# Altium PCB MAIN_BOARD_V3.PcbDoc (part 4 of 4)
Units mm, origin at the board's own origin, x right, y up, seen from the top; angles counter-clockwise.
Board outline 130 x 150 mm, 4 copper layers (TOP, GND/INT_SIG_1, GND/INT_SIG_2, BOTTOM), stack 1.586 mm thick; 408 components, 346 nets, 1739 pads, 289 vias.
Unrouted connection lines stored in the file: 773.
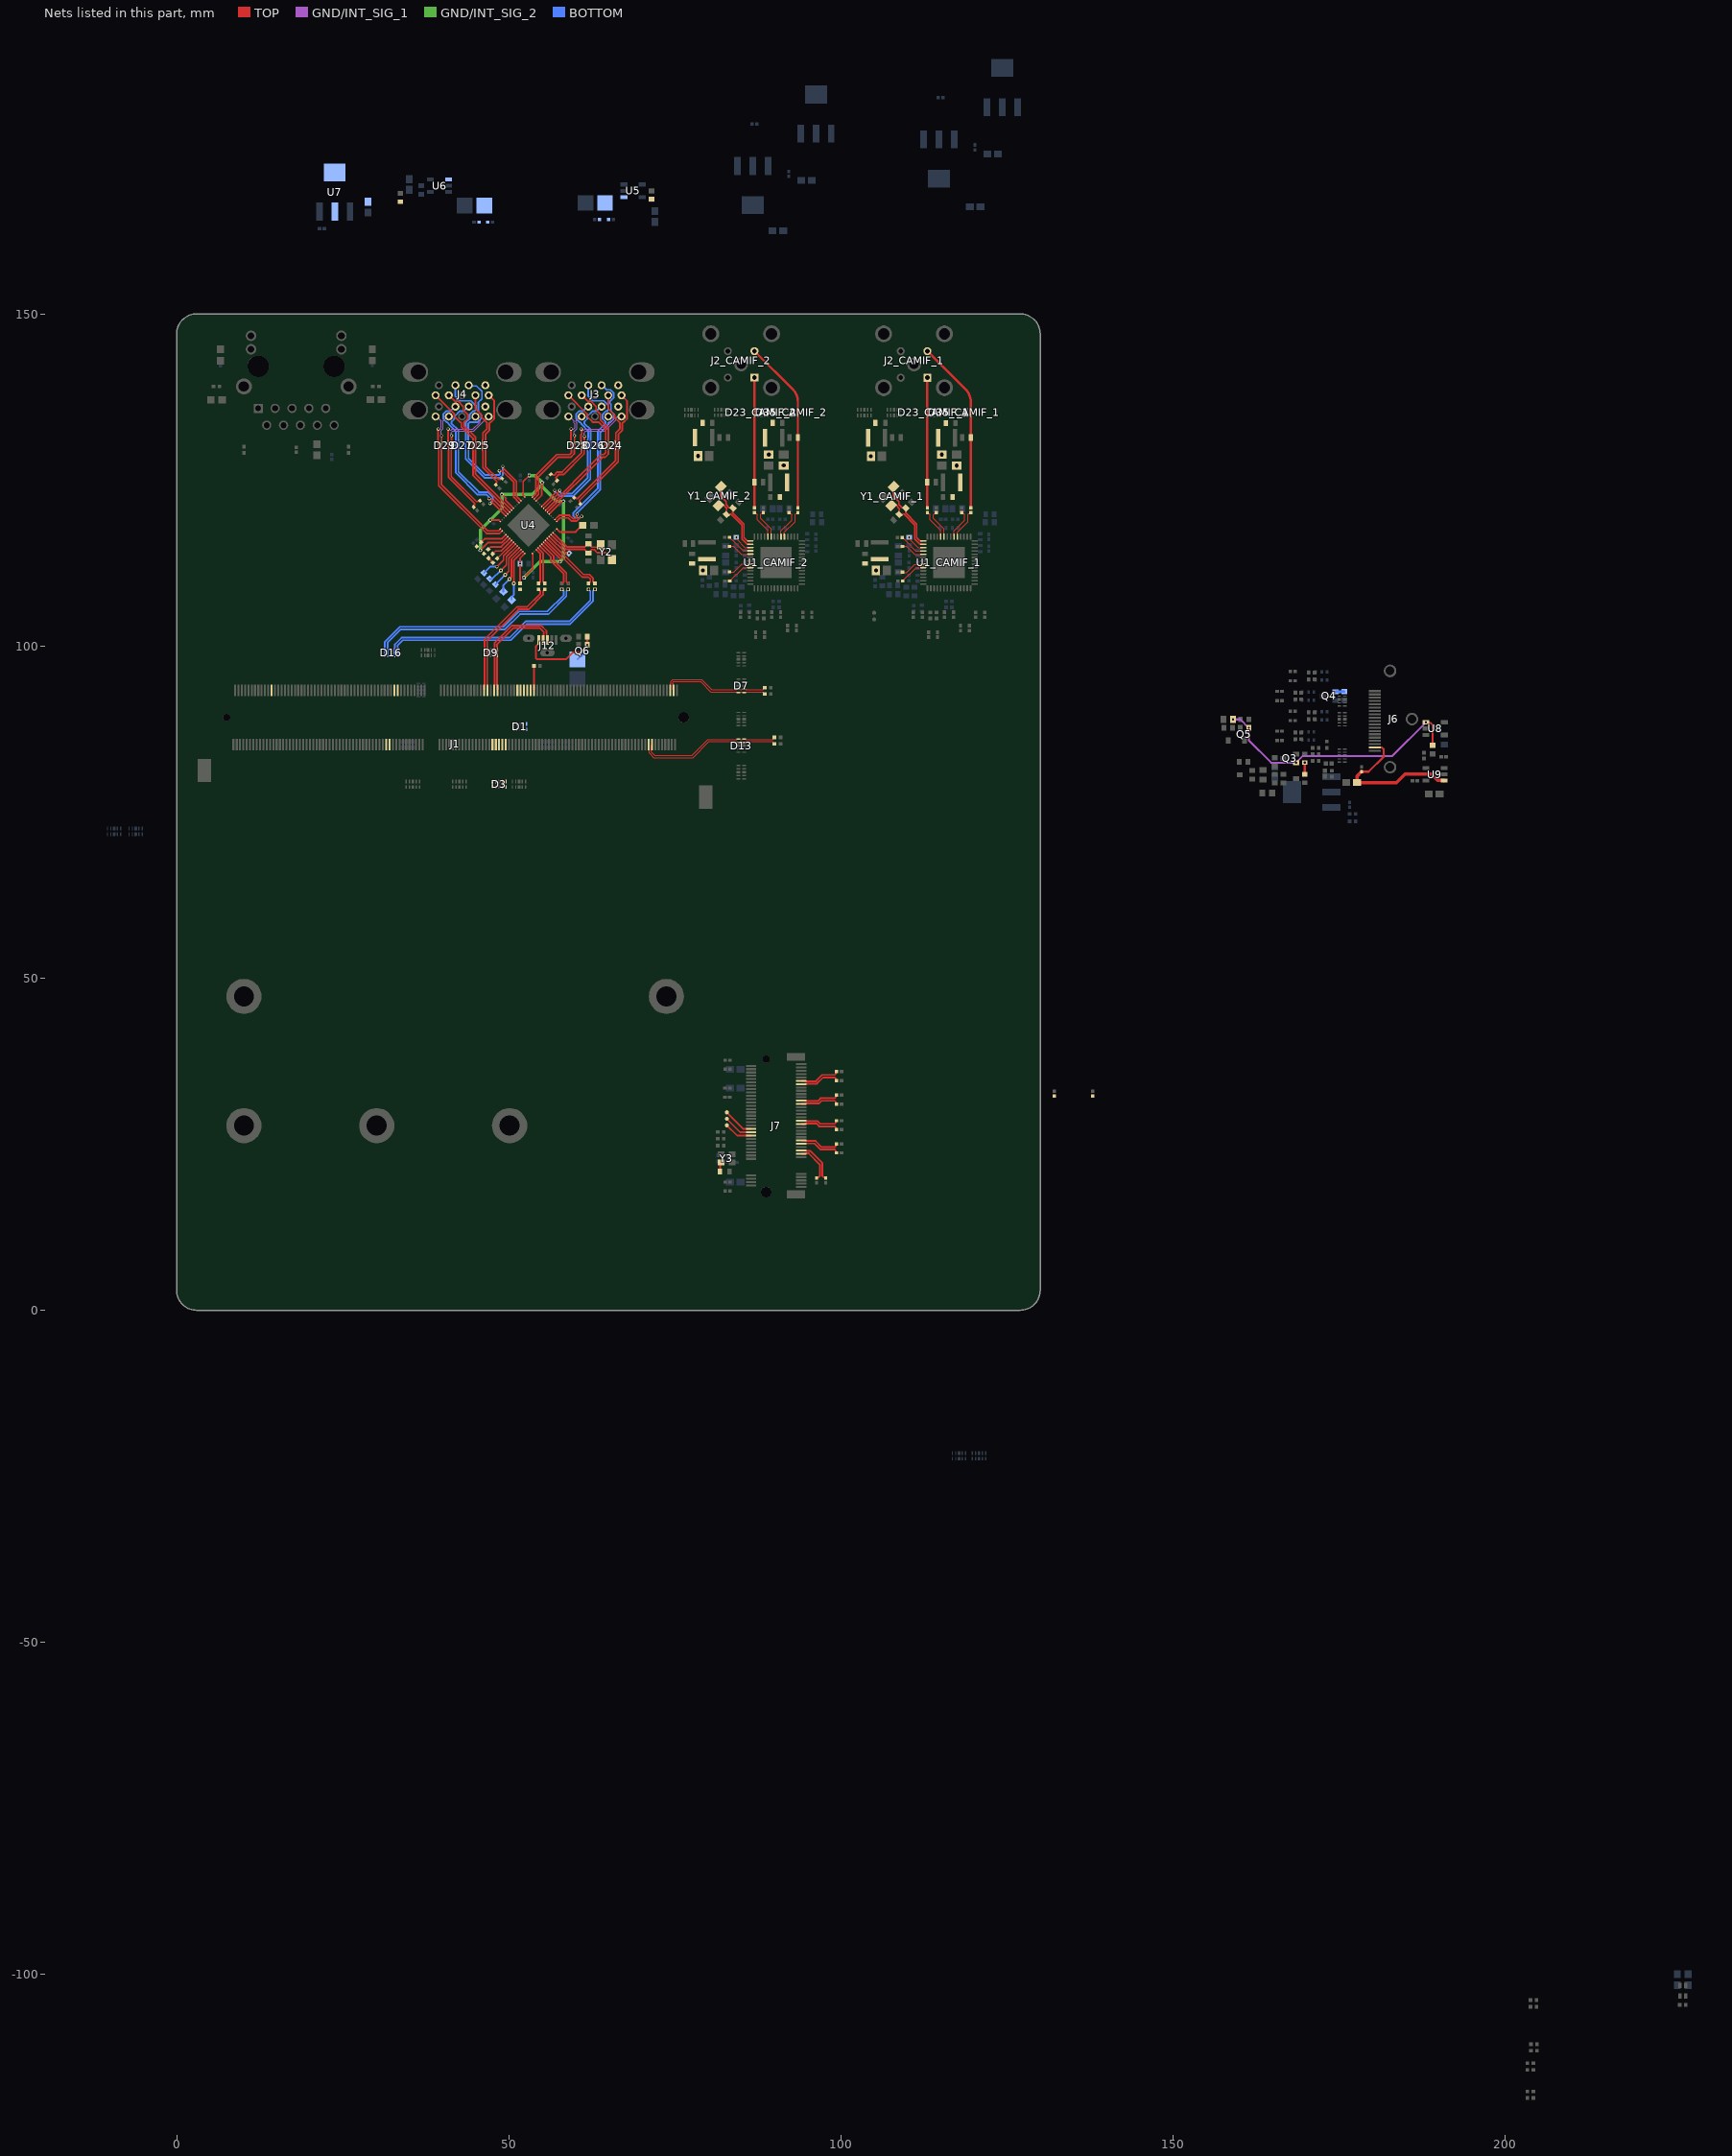
[diagram p6: the nets of this part, all layers, seen from the top]

## Via types
v1: diameter 0.5, hole 0.3, TOP to BOTTOM, 244 vias
v2: diameter 0.5, hole 0.2, TOP to BOTTOM, 32 vias
v3: diameter 1, hole 0.6, TOP to BOTTOM, 8 vias
v4: diameter 5, hole 3, TOP to BOTTOM, 5 vias

## Nets (pads, with @x,y where several pads share a name; then routed paths per layer and width w, separated by ;. In a path a pad name is that pad's centre, name@x,y a point inside that pad or via, vN(x,y) a via of type N, cw(c..) or ccw(c..) an arc to the next point about the centre after c; other vN are vias at no path point) (continued)
PoC_C_CAMIF_1: C15_CAMIF_1.2 D23_CAMIF_1.1 D23_CAMIF_1.10 J2_CAMIF_1.1 L7_CAMIF_1.2 | length 19.6
  TOP w0.355: C15_CAMIF_1.2@113.008,120.806 L7_CAMIF_1.2@113.008,124.642 D23_CAMIF_1.1@113.008,134.725 D23_CAMIF_1.10@113.008,135.56 J2_CAMIF_1.1@113.008,140.392
PoC_C_CAMIF_2: C15_CAMIF_2.2 D23_CAMIF_2.1 D23_CAMIF_2.10 J2_CAMIF_2.1 L7_CAMIF_2.2 | length 19.6
  TOP w0.355: C15_CAMIF_2.2@86.983,120.813 L7_CAMIF_2.2@86.983,124.65 D23_CAMIF_2.1@86.983,134.733 D23_CAMIF_2.10@86.983,135.568 J2_CAMIF_2.1@86.983,140.4
PoC_D_CAMIF_1: C16_CAMIF_1.2 D35_CAMIF_1.5 D35_CAMIF_1.6 J2_CAMIF_1.2 L9_CAMIF_1.2 | length 26.2
  TOP w0.355: J2_CAMIF_1.2@113.008,144.392 118.8,138.6 cw(c117.004,136.804) 119.544,136.804 D35_CAMIF_1.6@119.544,135.56 D35_CAMIF_1.5@119.544,134.725 L9_CAMIF_1.2@119.544,131.367 C16_CAMIF_1.2@119.544,120.806
PoC_D_CAMIF_2: C16_CAMIF_2.2 D35_CAMIF_2.5 D35_CAMIF_2.6 J2_CAMIF_2.2 L9_CAMIF_2.2 | length 26.2
  TOP w0.355: J2_CAMIF_2.2@86.983,144.4 92.776,138.608 cw(c90.98,136.812) 93.52,136.812 D35_CAMIF_2.6@93.52,135.568 D35_CAMIF_2.5@93.52,134.733 L9_CAMIF_2.2@93.52,131.375 C16_CAMIF_2.2@93.52,120.813
PoC_PWR_CAMIF_1: C121_CAMIF_1.1 C122_CAMIF_1.1 C123_CAMIF_1.1 C124_CAMIF_1.1 L2_CAMIF_1.1 L4_CAMIF_1.1 L6_CAMIF_1.1 L8_CAMIF_1.1 R24_CAMIF_1.1 R26_CAMIF_1.1 R27_CAMIF_1.1 R29_CAMIF_1.1
  other v3: 105.268,111.392 117.417,127.165 104.518,128.592 115.167,128.817
PoC_PWR_CAMIF_2: C121_CAMIF_2.1 C122_CAMIF_2.1 C123_CAMIF_2.1 C124_CAMIF_2.1 L2_CAMIF_2.1 L4_CAMIF_2.1 L6_CAMIF_2.1 L8_CAMIF_2.1 R24_CAMIF_2.1 R26_CAMIF_2.1 R27_CAMIF_2.1 R29_CAMIF_2.1
  other v3: 79.244,111.4 91.393,127.173 78.494,128.6 89.143,128.824
POWER_EN: J1.237
PRE_CLK_N: C116.1 J7.53 | length 6.5
  TOP w0.266: J7.53@94.025,24.047 94.65,24.047 94.703,23.994 95.346,23.994 97.222,22.118 97.222,20.192 97.378,20.036 97.597,20.036 97.7,19.933 C116.1@97.7,19.9
PRE_CLK_P: C117.1 J7.55 | length 5.9
  TOP w0.266: J7.55@94.025,23.547 94.65,23.547 94.703,23.6 95.183,23.6 96.828,21.955 96.828,20.192 96.672,20.036 96.453,20.036 96.35,19.933 C117.1@96.35,19.9
PRE_CSI0_D1_N: D13.1 D13.10 J1.16 R3.1 | length 21.3
  TOP w0.168: J1.16@71.55,85.15 71.484,85.084 71.484,84.203 71.447,84.166 71.447,84.023 71.971,83.5 77.593,83.5 79.99,85.898 84.297,85.898 84.4,86 D13.1@84.583,86 84.765,86 84.868,85.898 85.132,85.898 85.235,86 D13.10@85.417,86 85.6,86 85.703,85.898 87.634,85.898 87.643,85.906 89.711,85.906 89.809,86.005 89.809,86.044 R3.1@90,86.235
PRE_CSI0_D1_P: D13.2 D13.9 J1.18 R4.1 | length 21.8
  TOP w0.168: J1.18@71.05,85.15 71.116,85.084 71.116,84.203 71.152,84.166 71.152,83.901 71.848,83.205 77.715,83.205 80.112,85.603 84.297,85.603 84.4,85.5 D13.2@84.583,85.5 84.765,85.5 84.868,85.603 85.132,85.603 85.235,85.5 D13.9@85.417,85.5 85.6,85.5 85.703,85.603 87.756,85.603 87.765,85.611 89.711,85.611 89.809,85.513 89.809,85.474 R4.1@90,85.283
PRE_CSI1_D0_N: D7.1 D7.10 J1.3 R1.1 | length 16.1
  TOP w0.168: J1.3@74.8,93.35 74.734,93.416 74.734,94.297 74.697,94.334 74.697,94.535 74.796,94.633 78.888,94.633 80.419,93.102 84.297,93.102 84.4,93 D7.10@84.583,93 84.765,93 84.868,93.102 85.132,93.102 85.235,93 D7.1@85.417,93 85.6,93 85.703,93.102 87.035,93.102 87.037,93.104 88.261,93.104 88.359,93.006 88.359,92.966 R1.1@88.55,92.775
PRE_CSI1_D0_P: D7.2 D7.9 J1.5 R2.1 | length 16.6
  TOP w0.168: J1.5@74.3,93.35 74.366,93.416 74.366,94.297 74.402,94.334 74.402,94.657 74.674,94.928 79.01,94.928 80.541,93.397 84.297,93.397 84.4,93.5 D7.9@84.583,93.5 84.765,93.5 84.868,93.397 85.132,93.397 85.235,93.5 D7.2@85.417,93.5 85.6,93.5 85.703,93.397 86.913,93.397 86.914,93.399 88.261,93.399 88.359,93.498 88.359,93.537 R2.1@88.55,93.728
PRE_TX0_N: C107.1 J7.47 | length 6.1
  TOP w0.266: J7.47@94.025,25.547 94.65,25.547 94.716,25.481 96.191,25.481 97.121,24.552 99.069,24.552 99.225,24.708 99.225,24.94 99.328,25.043 C107.1@99.35,25.043
PRE_TX0_P: C114.1 J7.49 | length 6.1
  TOP w0.266: J7.49@94.025,25.047 94.65,25.047 94.716,25.113 96.039,25.113 96.968,24.184 99.069,24.184 99.225,24.028 99.225,23.796 99.328,23.693 C114.1@99.35,23.693
PRE_TX1_N: C102.1 J7.35 | length 5.9
  TOP w0.266: J7.35@94.025,28.547 94.65,28.547 94.716,28.481 96.443,28.481 96.868,28.056 99.069,28.056 99.225,28.212 99.225,28.444 99.328,28.547 C102.1@99.35,28.547
PRE_TX1_P: C103.1 J7.37 | length 5.9
  TOP w0.266: J7.37@94.025,28.047 94.65,28.047 94.716,28.113 96.291,28.113 96.716,27.688 99.069,27.688 99.225,27.532 99.225,27.3 99.328,27.197 C103.1@99.35,27.197
PRE_TX2_N: C100.1 J7.23 | length 5.9
  TOP w0.266: J7.23@94.025,31.547 94.65,31.547 94.716,31.481 96.507,31.481 96.932,31.906 99.069,31.906 99.225,32.062 99.225,32.294 99.328,32.397 C100.1@99.35,32.397
PRE_TX2_P: C101.1 J7.25 | length 5.9
  TOP w0.266: J7.25@94.025,31.047 94.65,31.047 94.716,31.113 96.659,31.113 97.084,31.538 99.069,31.538 99.225,31.382 99.225,31.15 99.328,31.047 C101.1@99.35,31.047
PRE_TX3_N: C98.1 J7.11 | length 6.1
  TOP w0.266: J7.11@94.025,34.547 94.65,34.547 94.716,34.481 96.245,34.481 97.192,35.429 99.068,35.429 99.224,35.585 99.224,35.818 99.327,35.921 C98.1@99.348,35.921
PRE_TX3_P: C99.1 J7.13 | length 6.1
  TOP w0.266: J7.13@94.025,34.047 94.65,34.047 94.716,34.113 96.397,34.113 97.345,35.061 99.069,35.061 99.226,34.905 99.226,34.672 99.329,34.569 C99.1@99.35,34.569
PRT01_CTL: R41.1 R42.2 R44.2 | length 1
  TOP w0.3: R44.2@46.943,113.227 46.943,113.221 47.611,112.552 R42.2@47.611,112.546
PRT23_CTL: R45.2 R46.2 R50.1
REC_USB_VBUS: C118.1 C119.2 J12.1 Q6.1 R22.2 | length 15.6
  TOP w0.3: J12.1@54.5,100.9 54.425,100.825 54.425,100.3 54.075,99.95 54.075,98.225 54.3,98 58.585,98 59.587,99.002 60.702,99.002 61.8,100.1 v1(61.8,100.2) R22.2@61.8,101.4
  BOTTOM w0.3: C118.1@60.35,98 61.375,99.025 61.375,99.692 61.8,100.117 C119.2@61.8,100.15 v1(61.8,100.2)
SIOA_CAMIF_1_N: C12_CAMIF_1.1 U1_CAMIF_1.22 | length 3.7
  TOP w0.168: C12_CAMIF_1.1@109.269,111.142 109.323,111.088 109.886,111.088 111.115,112.317 U1_CAMIF_1.22@112.394,112.317
SIOA_CAMIF_1_P: C7_CAMIF_1.1 U1_CAMIF_1.23 | length 3.9
  TOP w0.168: C7_CAMIF_1.1@109.294,109.792 109.327,109.792 109.48,109.945 109.48,109.95 111.329,111.799 112.376,111.799 U1_CAMIF_1.23@112.394,111.817
SIOA_CAMIF_2_N: C12_CAMIF_2.1 U1_CAMIF_2.22 | length 3.7
  TOP w0.168: C12_CAMIF_2.1@83.245,111.15 83.299,111.096 83.862,111.096 85.09,112.325 U1_CAMIF_2.22@86.37,112.325
SIOA_CAMIF_2_P: C7_CAMIF_2.1 U1_CAMIF_2.23 | length 3.9
  TOP w0.168: C7_CAMIF_2.1@83.27,109.8 83.303,109.8 83.455,109.952 83.455,109.957 85.305,111.807 86.352,111.807 U1_CAMIF_2.23@86.37,111.825
SIOB_CAMIF_1_N: C13_CAMIF_1.1 U1_CAMIF_1.19 | length 3.6
  TOP w0.168: C13_CAMIF_1.1@109.269,114.992 109.308,115.032 109.856,115.032 111.072,113.815 112.392,113.815 U1_CAMIF_1.19@112.394,113.817
SIOB_CAMIF_1_P: C8_CAMIF_1.1 U1_CAMIF_1.18 | length 4
  TOP w0.168: C8_CAMIF_1.1@109.244,116.342 109.277,116.342 109.952,115.668 111.287,114.333 112.378,114.333 U1_CAMIF_1.18@112.394,114.317
SIOB_CAMIF_2_N: C13_CAMIF_2.1 U1_CAMIF_2.19 | length 3.6
  TOP w0.168: C13_CAMIF_2.1@83.245,115 83.284,115.039 83.832,115.039 85.048,113.823 86.368,113.823 U1_CAMIF_2.19@86.37,113.825
SIOB_CAMIF_2_P: C8_CAMIF_2.1 U1_CAMIF_2.18 | length 4
  TOP w0.168: C8_CAMIF_2.1@83.22,116.35 83.253,116.35 83.927,115.676 85.262,114.341 86.354,114.341 U1_CAMIF_2.18@86.37,114.325
SIOC_CAMIF_1_N: C17_CAMIF_1.1 U1_CAMIF_1.9 | length 4.6
  TOP w0.168: C17_CAMIF_1.1@114.351,120.073 114.351,120.062 114.198,119.91 114.037,119.91 113.938,119.811 113.938,119.231 115.519,117.65 U1_CAMIF_1.9@115.519,116.442
SIOC_CAMIF_1_P: C15_CAMIF_1.1 U1_CAMIF_1.10 | length 4.6
  TOP w0.168: C15_CAMIF_1.1@113.008,120.073 113.008,120.062 113.16,119.91 113.322,119.91 113.42,119.811 113.42,119.016 115.001,117.435 115.001,116.46 U1_CAMIF_1.10@115.019,116.442
SIOC_CAMIF_2_N: C17_CAMIF_2.1 U1_CAMIF_2.9 | length 4.6
  TOP w0.168: C17_CAMIF_2.1@88.326,120.08 88.326,120.07 88.174,119.917 88.012,119.917 87.914,119.819 87.914,119.238 89.495,117.657 U1_CAMIF_2.9@89.495,116.45
SIOC_CAMIF_2_P: C15_CAMIF_2.1 U1_CAMIF_2.10 | length 4.6
  TOP w0.168: C15_CAMIF_2.1@86.983,120.08 86.983,120.07 87.136,119.917 87.298,119.917 87.396,119.819 87.396,119.024 88.977,117.443 88.977,116.468 U1_CAMIF_2.10@88.995,116.45
SIOD_CAMIF_1_N: C18_CAMIF_1.1 U1_CAMIF_1.6 | length 4.6
  TOP w0.168: U1_CAMIF_1.6@117.019,116.442 117.001,116.46 117.001,117.33 118.613,118.943 118.613,119.811 118.515,119.91 118.353,119.91 118.201,120.062 C18_CAMIF_1.1@118.201,120.073
SIOD_CAMIF_1_P: C16_CAMIF_1.1 U1_CAMIF_1.5 | length 4.6
  TOP w0.168: U1_CAMIF_1.5@117.519,116.442 117.519,117.116 119.131,118.728 119.131,119.811 119.23,119.91 119.392,119.91 119.544,120.062 C16_CAMIF_1.1@119.544,120.073
SIOD_CAMIF_2_N: C18_CAMIF_2.1 U1_CAMIF_2.6 | length 4.6
  TOP w0.168: U1_CAMIF_2.6@90.995,116.45 90.977,116.468 90.977,117.338 92.589,118.951 92.589,119.819 92.491,119.917 92.329,119.917 92.177,120.07 C18_CAMIF_2.1@92.177,120.08
SIOD_CAMIF_2_P: C16_CAMIF_2.1 U1_CAMIF_2.5 | length 4.6
  TOP w0.168: U1_CAMIF_2.5@91.495,116.45 91.495,117.124 93.107,118.736 93.107,119.819 93.206,119.917 93.367,119.917 93.52,120.07 C16_CAMIF_2.1@93.52,120.08
SMB_CLK: J7.40 TP5.1 | length 4.7
  TOP w0.266: TP5.1@82.825,29.797 85.325,27.297 J7.40@86.475,27.297
SMB_DATA: J7.42 TP6.1 | length 4.5
  TOP w0.266: TP6.1@82.825,28.822 84.85,26.797 J7.42@86.475,26.797
SMB_nALERT: J7.44 TP7.1 | length 4.3
  TOP w0.266: TP7.1@82.825,27.847 84.375,26.297 J7.44@86.475,26.297
SPI0_MISO: D1.4 D1.7 J1.93
SPI0_MOSI: D1.1 D1.10 J1.89
SPI0_nCS_0: D1.5 D1.6 J1.95
SPI0_nCS_1: J1.97
SPI0_SCLK: D1.2 D1.9 J1.91
SPI1_MISO: D3.4 D3.7 J1.108
SPI1_MOSI: D3.1 D3.10 J1.104
SPI1_nCS_0: D3.5 D3.6 J1.110
SPI1_nCS_1: J1.112
SPI1_SCLK: D3.2 D3.9 J1.106
SUSCLK_32: R102.2 Y3.3 | length 1.5
  TOP w0.3: R102.2@81.8,20.867 81.8,22.067 Y3.3@81.988,22.254
USB0_D_N: D9.1 D9.10 J1.109 J12.2 | length 16.5
  TOP w0.266: J1.109@48.3,93.35 48.3,94.075 48.247,94.128 48.247,99.248 48.3,99.301 D9.1@48.3,99.417 48.267,99.451 48.267,99.846 48.247,99.866 48.247,100.284 50.663,102.7 54.694,102.7 55.278,102.116 55.278,101.895 55.242,101.859 55.242,100.992 J12.2@55.15,100.9
USB0_D_P: D9.2 D9.9 J1.111 J12.3 | length 17.8
  TOP w0.266: J1.111@47.8,93.35 47.8,94.075 47.853,94.128 47.853,99.248 47.8,99.301 D9.2@47.8,99.417 47.833,99.451 47.833,99.846 47.853,99.866 47.853,100.447 50.5,103.093 54.857,103.093 55.672,102.279 55.672,101.895 55.708,101.859 55.708,100.992 J12.3@55.8,100.9
USB0_RX_N: D24.1 D24.10 J3.A5 U4.7 | length 23.9
  TOP w0.266: U4.7@55.529,120.448 55.533,120.448 63.896,128.811 64.324,128.811 64.603,129.09 64.603,129.311 64.583,129.331 D24.1@64.583,129.61 ; J3.A5@58.975,137.747 61.81,134.912 61.81,134.531 62.629,133.712 63.541,133.712 64.603,132.65 64.603,131.043 64.583,131.023 64.583,130.628 D24.10@64.55,130.594 D24.1@64.55,129.909
USB0_RX_P: D24.2 D24.9 J3.A6 U4.6 | length 23.5
  TOP w0.266: U4.6@55.812,120.165 55.812,120.17 64.059,128.417 64.487,128.417 64.997,128.927 64.997,129.311 65.017,129.331 D24.2@65.017,129.61 ; J3.A6@60.975,137.747 61.84,136.882 62.321,136.882 63.14,136.062 63.14,135.562 63.81,134.893 63.81,134 64.997,132.813 64.997,131.043 65.017,131.023 65.017,130.628 D24.9@65.05,130.594 D24.2@65.05,129.759
USB0_TX_N: C60.2 D24.4 D24.7 J3.A8 | length 19.6
  TOP w0.266: C60.2@59.818,122.333 59.842,122.357 59.988,122.357 60.14,122.204 60.361,122.204 66.067,127.91 66.067,129.65 66.103,129.687 66.103,129.759 66.05,129.813 D24.7@66.05,130.594 66.083,130.628 66.083,131.023 66.103,131.043 66.103,132.04 66.71,132.647 66.71,133.631 65.932,134.409 65.932,134.771 64.975,135.727 J3.A8@64.975,137.747
USB0_TX_P: C65.2 D24.5 D24.6 J3.A9 | length 19.7
  TOP w0.266: C65.2@60.768,121.383 60.792,121.407 60.792,121.553 60.639,121.705 60.639,121.926 66.46,127.747 66.46,129.487 66.517,129.544 D24.5@66.517,129.61 ; D24.5@66.55,129.759 D24.6@66.55,130.594 66.517,130.628 66.517,131.023 66.497,131.043 66.497,131.877 67.103,132.484 67.103,133.556 67.259,133.712 67.321,133.712 67.81,134.201 67.81,136.912 J3.A9@66.975,137.747
USB1_D_N: D9.4 D9.7 J1.115 R30.1 | length 19.7
  TOP w0.266: J1.115@46.8,93.35 46.8,94.075 46.747,94.128 46.747,96.182 46.747,98.715 46.767,98.735 46.767,99.384 D9.4@46.8,99.417 46.767,99.451 46.767,99.846 46.747,99.866 46.747,100.822 51.432,105.507 52.948,105.507 55.147,107.706 55.147,108.249 R30.1@55.425,108.527
USB1_D_P: D9.5 D9.6 J1.117 R31.1 | length 19.7
  TOP w0.266: J1.117@46.3,93.35 46.3,94.075 46.353,94.128 46.353,96.345 46.353,98.715 46.333,98.735 46.333,99.384 D9.5@46.3,99.417 46.333,99.451 46.333,99.846 46.353,99.866 46.353,100.985 51.269,105.9 52.785,105.9 54.753,107.869 54.753,108.249 R31.1@54.475,108.527
USB1_RX_N: D28.1 D28.10 J3.B5 U4.14 | length 16.7
  TOP w0.266: U4.14@53.541,122.42 53.545,122.42 54.09,122.964 54.09,125.692 57.209,128.811 59.174,128.811 59.453,129.09 59.453,129.311 59.433,129.331 59.433,129.726 D28.1@59.4,129.759 59.4,130.71 59.36,130.751 59.36,132.644 v1(59.393,132.677)
  GND/INT_SIG_1 w0.179: J3.B5@58.975,134.547 59.154,134.547 59.822,133.879 59.822,133.604 59.939,133.487 59.939,132.846 59.769,132.676 v1(59.393,132.677)
USB1_RX_P: D28.2 D28.9 J3.B6 U4.13 | length 16.8
  TOP w0.266: U4.13@53.824,122.137 53.824,122.141 54.484,122.801 54.484,125.529 57.372,128.417 59.337,128.417 59.847,128.927 59.847,129.311 59.867,129.331 59.867,129.726 D28.2@59.9,129.759 D28.9@59.9,130.594 59.897,130.598 59.897,131.673 v1(59.893,131.677)
  GND/INT_SIG_1 w0.179: v1(59.893,131.677) 59.843,131.727 59.843,132.318 60.245,132.72 60.245,133.614 60.128,133.731 60.128,133.879 60.796,134.547 J3.B6@60.975,134.547
USB1_TX_N: C61.2 D28.4 D28.7 J3.B8 | length 16.6
  TOP w0.266: C61.2@56.307,125.845 56.33,125.869 56.476,125.869 56.629,125.716 56.849,125.716 57.33,126.196 58.06,126.196 60.953,129.09 60.953,129.759 60.9,129.813 60.9,130.88 60.85,130.93 60.85,131.727 60.879,131.757 60.879,131.804 60.983,131.908 60.983,132.346 60.938,132.391 60.938,132.632 v1@60.9,132.67
  GND/INT_SIG_1 w0.179: v1(60.893,132.677) 60.967,132.677 61.158,132.486 61.306,132.486 61.457,132.637 64.292,132.637 65.822,134.167 65.822,134.315 65.718,134.419 65.103,134.419 J3.B8@64.975,134.547
USB1_TX_P: C68.2 D28.5 D28.6 J3.B9 | length 16.2
  TOP w0.266: C68.2@57.257,124.895 57.28,124.919 57.28,125.065 57.128,125.217 57.128,125.438 57.492,125.803 58.222,125.803 61.347,128.927 61.347,129.759 61.4,129.813 D28.6@61.4,130.594 ; D28.6@61.397,130.751 61.397,131.085 61.346,131.136 61.346,131.356 61.368,131.378 61.368,131.543 v1(61.413,131.588)
  GND/INT_SIG_1 w0.179: v1(61.413,131.588) 61.351,131.649 61.351,131.878 61.343,131.887 61.343,132.09 61.584,132.331 64.419,132.331 66.128,134.04 66.128,134.315 66.232,134.419 66.847,134.419 J3.B9@66.975,134.547
USB2_RX_N: D25.1 D25.10 J4.A5 U4.23 | length 22.3
  TOP w0.266: J4.A5@38.975,137.747 41.81,134.912 41.81,134.531 42.629,133.712 42.695,133.712 42.851,133.556 42.851,133.016 44.603,131.264 44.603,131.043 44.583,131.023 44.583,130.628 D25.10@44.55,130.594 44.55,129.813 44.603,129.759 44.603,125.705 50.147,120.161 U4.23@50.147,120.157
USB2_RX_P: D25.2 D25.9 J4.A6 U4.22 | length 22
  TOP w0.266: J4.A6@40.975,137.747 41.84,136.882 42.321,136.882 43.14,136.062 43.14,135.562 43.81,134.893 43.81,134.201 43.244,133.635 43.244,133.179 44.997,131.427 44.997,131.043 45.017,131.023 45.017,130.628 D25.9@45.05,130.594 45.05,129.813 44.997,129.759 44.997,125.868 50.425,120.44 U4.22@50.429,120.44
USB2_TX_N: C62.2 D25.4 D25.7 J4.A8 | length 15.4
  TOP w0.266: J4.A8@44.975,137.747 44.975,135.727 45.932,134.771 45.932,134.409 46.71,133.631 46.71,132.647 46.103,132.04 46.103,131.043 46.083,131.023 46.083,130.628 D25.7@46.05,130.594 D25.4@46.05,129.759 46.083,129.726 46.083,129.331 46.103,129.311 46.103,126.884 48.189,124.798 48.189,124.577 48.036,124.424 48.036,124.279 C62.2@48.06,124.255
USB2_TX_P: C69.2 D25.5 D25.6 J4.A9 | length 15.1
  TOP w0.266: J4.A9@46.975,137.747 47.81,136.912 47.81,134.201 47.321,133.712 47.259,133.712 47.103,133.556 47.103,132.484 46.497,131.877 46.497,131.043 46.517,131.023 46.517,130.628 D25.6@46.55,130.594 D25.5@46.55,129.759 46.517,129.726 46.517,129.331 46.497,129.311 46.497,127.047 48.467,125.076 48.688,125.076 48.841,125.229 48.986,125.229 C69.2@49.01,125.205
USB2UP_N: R30.2 U4.46 | length 5.8
  TOP w0.266: U4.46@54.397,114.774 54.397,114.77 55.147,114.021 55.147,109.705 R30.2@55.425,109.427
USB2UP_P: R31.2 U4.45 | length 5.4
  TOP w0.266: U4.45@54.115,114.492 54.119,114.492 54.753,113.858 54.753,109.705 R31.2@54.475,109.427
USB3_RX_N: D29.1 D29.10 J4.B5 U4.30 | length 23.9
  TOP w0.266: v1(39.393,132.677) 39.36,132.644 39.36,130.751 39.4,130.71 39.4,129.813 39.453,129.759 39.453,124.149 46.663,116.939 48.621,116.939 49.002,117.32 U4.30@49.007,117.32
  GND/INT_SIG_1 w0.179: J4.B5@38.975,134.547 39.154,134.547 39.822,133.879 39.822,132.98 39.822,132.832 39.718,132.727 39.444,132.727 v1(39.393,132.677)
USB3_RX_P: D29.2 D29.9 J4.B6 U4.29 | length 22.7
  TOP w0.266: v1(39.893,131.677) 39.896,131.673 39.896,130.598 D29.9@39.9,130.594 39.9,129.813 39.847,129.759 39.847,124.312 46.826,117.332 48.458,117.332 48.724,117.598 U4.29@48.724,117.603
  GND/INT_SIG_1 w0.179: v1(39.893,131.677) 39.843,131.727 39.843,132.421 40.128,132.705 40.128,133.107 40.128,133.879 40.796,134.547 J4.B6@40.975,134.547
USB3_TX_N: C64.2 D29.4 D29.7 J4.B8 | length 20
  TOP w0.266: v1(40.893,132.677) 40.86,132.644 40.86,130.751 40.9,130.71 40.9,129.813 40.953,129.759 40.953,125.357 44.847,121.463 44.847,121.242 44.695,121.09 44.695,120.944 C64.2@44.718,120.92
  GND/INT_SIG_1 w0.179: v1(40.893,132.677) 40.967,132.677 41.158,132.486 41.306,132.486 41.457,132.637 44.616,132.637 45.636,133.657 45.636,133.736 45.637,133.737 45.637,133.885 J4.B8@44.975,134.547
USB3_TX_P: C70.2 D29.5 D29.6 J4.B9 | length 19.4
  TOP w0.266: v1(41.393,131.677) 41.396,131.673 41.396,130.598 D29.6@41.4,130.594 41.4,129.813 41.347,129.759 41.347,125.52 45.126,121.741 45.346,121.741 45.499,121.894 45.645,121.894 C70.2@45.668,121.87
  GND/INT_SIG_1 w0.179: v1(41.393,131.677) 41.343,131.727 41.343,132.09 41.584,132.331 44.742,132.331 46.699,134.288 46.699,134.547 J4.B9@46.975,134.547
USB3UP_RX_N: R33.2 U4.51 | length 10.3
  TOP w0.266: U4.51@55.803,116.197 55.803,116.192 61.234,110.761 62.158,110.761 62.672,110.248 62.672,109.705 R33.2@62.95,109.427
USB3UP_RX_P: R34.2 U4.50 | length 9.9
  TOP w0.266: U4.50@55.521,115.914 55.525,115.914 61.071,110.368 61.995,110.368 62.278,110.085 62.278,109.705 R34.2@62,109.427
USB3UP_TX_N: C39.1 U4.48 | length 7.6
  TOP w0.266: U4.48@54.963,115.34 54.963,115.336 56.736,113.563 56.736,112.937 58.672,111.001 58.672,109.705 58.95,109.427
USB3UP_TX_P: C74.1 U4.47 | length 7.2
  TOP w0.266: U4.47@54.68,115.057 54.685,115.057 56.342,113.4 56.342,112.774 58.278,110.838 58.278,109.705 58,109.427
USB_1V2: C44.2 C45.2 C46.2 C47.2 C48.2 C50.2 C51.2 C54.2 C77.1 U4.5 U4.12 U4.15 U4.21 U4.28 U4.33 U4.43 U4.49 U7.2 U7.4 | length 66.5
  TOP w0.266: v1(45.716,114.433) 46.834,115.552 48.936,115.552 U4.33@49.855,116.472 ; v1(47.2,118.952) 48.523,118.952 U4.28@48.732,118.743 ; v1(48.975,122.802) 48.984,122.802 49.5,122.286 49.5,121.935 U4.21@50.704,120.731 ; v1(52.3,110.31) 53.626,111.636 53.626,113.849 U4.43@53.549,113.926 ; U4.15@52.401,122.428 52.175,122.654 52.175,124.765 v1(53.075,125.665) ; U4.12@54.106,121.854 54.972,122.72 54.972,124.557 v1(55.017,124.602) ; U4.49@55.246,115.623 57.725,113.144 v1(57.725,112.702) ; U4.5@56.095,119.882 57.945,121.732 58.18,121.732 v1(58.225,121.777)
  GND/INT_SIG_2 w0.5: v1(45.716,114.433) 45.716,117.468 v1(47.2,118.952) 48.975,120.727 v1(48.975,122.802) 53.525,122.802 55.017,124.293 ; v1(52.3,110.31) 54.692,112.702 v1(57.725,112.702) 58.225,113.202 v1(58.225,121.777) 57.225,121.777 55.017,123.985 55.017,124.293 ; v1(53.075,125.665) 53.953,125.665 v1(55.017,124.602) 55.017,124.293
USB_ATEST: R39.2 U4.52 | length 4
  TOP w0.266: U4.52@56.086,116.48 58.57,113.997 59.005,113.997 v1(59.05,113.952)
USB_CFG_CHG_EN: R49.1 TP3.1 U4.40 | length 7.4
  TOP w0.266: v1(50.1,110.052) 50.1,110.093 50.382,110.375 50.382,113.038 U4.40@51.844,114.5
  BOTTOM w0.266: R49.1@49.196,108.198 49.194,108.2 49.194,108.688 49.196,108.69 49.196,109.148 v1(50.1,110.052)
USB_CFG_NON_REM: R47.2 TP1.1 U4.41 | length 8
  TOP w0.266: v1(50.75,109.402) 50.75,112.841 U4.41@52.126,114.217
  BOTTOM w0.266: R47.2@50.446,106.948 50.446,107.346 50.75,107.649 v1(50.75,109.402)
USB_nRESET: R37.1 R38.1 U4.42 | length 4.8
  TOP w0.266: R38.1@51.7,109.402 51.7,113.225 U4.42@52.409,113.934
  other v1: 51.7,112.377
USB_nRST: R38.2
USB_PRT_CTL1: R42.1 U4.36 | length 3.5
  TOP w0.266: R42.1@48.247,113.182 48.263,113.182 U4.36@50.712,115.631
USB_PRT_CTL2: R44.1 U4.35 | length 3.7
  TOP w0.266: R44.1@47.579,113.864 48.017,114.302 48.817,114.302 U4.35@50.421,115.906
USB_PRT_CTL3: R45.1 U4.34 | length 3.9
  TOP w0.266: R45.1@46.904,114.539 47.293,114.928 48.877,114.928 U4.34@50.138,116.189
USB_PRT_CTL4: R46.1 U4.32 | length 4.2
  TOP w0.266: R46.1@45.836,115.604 46.359,116.127 48.945,116.127 U4.32@49.573,116.754
USB_RBIAS: R40.1 U4.56 | length 4.5
  TOP w0.266: U4.56@57.218,117.611 57.652,117.177 60.075,117.177 61.075,118.177 R40.1@61.125,118.177
USB_SPI_MISO: R51.1 TP4.1 U4.39 | length 7
  TOP w0.266: v1(49.45,110.702) 50.014,111.266 50.014,113.236 U4.39@51.561,114.783
  BOTTOM w0.266: R51.1@48,109.252 v1(49.45,110.702)
USB_SPI_SCLK: R48.1 TP2.1 U4.38 | length 7
  TOP w0.266: v1(48.8,111.352) 49.646,112.198 49.646,113.433 U4.38@51.278,115.066
  BOTTOM w0.266: R48.1@47.125,110.127 47.16,110.092 47.502,110.092 48.763,111.352 v1(48.8,111.352)
USBH0_D_N: D26.1 D26.10 J3.A2 U4.2 | length 27.8
  TOP w0.266: U4.2@56.943,119.034 56.948,119.034 57.589,119.674 59.132,119.674 59.613,119.194 60.047,119.194 60.285,119.431 60.285,119.817 v1(60.275,119.827)
  BOTTOM w0.266: v1(60.275,119.827) 60.32,119.872 60.32,120.089 63.772,123.541 63.772,129.311 63.792,129.331 63.792,129.726 D26.1@63.825,129.759 D26.10@63.825,130.594 63.792,130.628 63.792,131.023 63.772,131.043 63.772,132.163 64.976,133.367 64.976,133.556 65.132,133.712 65.321,133.712 65.81,134.201 65.81,134.893 65.378,135.325 65.378,136.381 65.194,136.565 65.194,136.785 65.81,137.401 65.81,138.093 65.321,138.582 64.724,138.582 64.058,139.247 J3.A2@63.975,139.247
USBH0_D_P: D26.2 D26.9 J3.A3 U4.1 | length 30.5
  TOP w0.266: U4.1@57.226,118.751 57.226,118.755 57.751,119.281 58.969,119.281 59.45,118.8 60.21,118.8 60.686,119.276 60.912,119.502 v1(60.975,119.502)
  BOTTOM w0.266: v1(60.975,119.502) 60.912,119.502 60.704,119.294 60.054,119.294 59.742,119.606 59.742,120.068 63.378,123.704 63.378,129.311 63.358,129.331 63.358,129.726 D26.2@63.325,129.759 D26.9@63.325,130.594 63.358,130.628 63.358,131.023 63.378,131.043 63.378,132.326 64.582,133.53 64.582,133.759 64.14,134.201 64.14,134.893 64.629,135.382 64.828,135.382 64.985,135.538 64.985,136.218 64.801,136.402 64.801,136.409 64.297,136.912 62.629,136.912 61.975,137.566 J3.A3@61.975,139.247
USBH1_D_N: D26.4 D26.7 J3.B2 U4.9 | length 22.9
  TOP w0.266: U4.9@54.955,121.005 55.037,121.088 55.043,121.088 56.664,122.709 56.948,122.993 56.948,123.214 56.945,123.217 56.945,123.382 v1(56.9,123.427)
  BOTTOM w0.266: v1(56.9,123.427) 56.9,123.364 57.714,122.55 59.681,122.55 62.272,125.14 62.272,129.311 62.292,129.331 62.292,129.726 D26.4@62.325,129.759 D26.7@62.325,130.594 62.308,130.611 62.308,131.173 62.339,131.204 62.339,132.558 61.364,133.534 61.364,133.755 61.81,134.201 61.81,134.562 62.629,135.382 63.226,135.382 63.892,136.047 J3.B2@63.975,136.047
USBH1_D_P: D26.5 D26.6 J3.B3 U4.8 | length 22
  TOP w0.266: U4.8@55.24,120.722 55.24,120.729 56.827,122.315 57.342,122.83 57.342,123.017 57.688,123.364 v1(57.688,123.427)
  BOTTOM w0.266: v1(57.688,123.427) 57.733,123.382 57.733,123.113 57.903,122.943 59.518,122.943 61.878,125.303 61.878,129.311 61.858,129.331 61.858,129.726 D26.5@61.825,129.759 D26.6@61.825,130.594 61.858,130.628 61.858,131.023 61.915,131.079 61.915,131.336 61.946,131.367 61.946,132.395 60.97,133.371 60.97,133.432 60.691,133.712 60.629,133.712 60.14,134.201 60.14,134.893 60.629,135.382 61.226,135.382 61.892,136.047 J3.B3@61.975,136.047
USBH2_D_N: D27.1 D27.10 J4.A2 U4.18 | length 27
  TOP w0.266: v1(48.569,126.377) 48.613,126.332 49.052,126.332 50.768,124.617 50.768,122.369 51.553,121.584 U4.18@51.553,121.579
  BOTTOM w0.266: J4.A2@43.975,139.247 44.075,139.147 45.128,139.147 45.95,138.325 45.95,137.2 45.41,136.66 45.41,135.931 45.42,135.921 45.42,135.283 45.81,134.893 45.81,134.201 45.321,133.712 44.629,133.712 44.624,133.717 44.152,133.717 43.922,133.487 43.922,131.043 43.942,131.023 43.942,130.628 D27.10@43.975,130.594 D27.1@43.975,129.759 43.942,129.726 43.942,128.258 46.473,125.727 48.52,125.727 48.676,125.883 48.676,126.104 48.613,126.167 48.613,126.332 v1(48.569,126.377)
USBH2_D_P: D27.2 D27.9 J4.A3 U4.17 | length 28.3
  TOP w0.266: 49.216,126.757 49.216,126.725 51.161,124.779 51.161,122.532 51.831,121.862 U4.17@51.835,121.862
  BOTTOM w0.266: J4.A3@41.975,139.247 41.975,137.566 42.629,136.912 44.297,136.912 44.801,136.409 44.801,136.402 45.016,136.186 45.016,135.768 45.026,135.759 45.026,135.538 44.87,135.382 44.629,135.382 44.14,134.893 44.14,134.262 43.528,133.65 43.528,131.043 43.508,131.023 43.508,130.628 D27.9@43.475,130.594 D27.2@43.475,129.759 43.508,129.726 43.508,128.202 43.548,128.161 43.548,128.095 46.31,125.334 48.683,125.334 49.102,125.752 49.102,127.025 v1(49.1,127.027)
USBH3_D_N: D27.4 D27.7 J4.B2 U4.25 | length 22.9
  TOP w0.266: v1(47.168,121.467) 47.212,121.512 47.377,121.512 47.411,121.545 47.632,121.545 49.581,119.596 U4.25@49.581,119.591
  BOTTOM w0.266: J4.B2@43.975,136.047 43.892,136.047 43.226,135.382 42.629,135.382 41.81,134.562 41.81,134.201 41.364,133.755 41.364,133.534 42.422,132.476 42.422,131.043 42.442,131.023 42.442,130.628 D27.7@42.475,130.594 42.442,130.561 42.442,129.912 42.422,129.892 42.422,129.759 42.422,126.253 45.5,123.175 46.833,123.175 47.578,122.431 47.578,121.94 47.168,121.53 v1(47.168,121.467)
USBH3_D_P: D27.5 D27.6 J4.B3 U4.24 | length 22.5
  TOP w0.266: v1(47.045,122.21) 47.089,122.165 47.287,122.165 47.513,121.938 47.795,121.938 49.859,119.874 U4.24@49.864,119.874
  BOTTOM w0.266: J4.B3@41.975,136.047 41.892,136.047 41.226,135.382 40.629,135.382 40.14,134.893 40.14,134.201 40.629,133.712 40.691,133.712 40.97,133.432 40.97,133.371 42.028,132.313 42.028,131.043 42.008,131.023 42.008,130.628 D27.6@41.975,130.594 42.008,130.561 42.008,129.912 42.028,129.892 42.028,129.759 42.028,126.09 45.337,122.782 46.67,122.782 47,122.452 47,122.254 v1(47.045,122.21)
USBSS0_RX_N: D16.1 D16.10 J1.161 R33.1 | length 35.7
  BOTTOM w0.266: D16.1@33.267,98.549 D16.1@33.3,98.583 D16.10@33.3,99.417 33.267,99.451 33.267,99.846 33.247,99.866 33.247,100.087 34.035,100.875 50.281,100.875 52.721,103.314 59.252,103.314 62.672,106.734 62.672,108.249 v1(62.95,108.527)
USBSS0_RX_P: D16.2 D16.9 J1.163 R34.1 | length 35.7
  BOTTOM w0.266: D16.2@32.833,98.549 D16.2@32.8,98.583 D16.9@32.8,99.417 32.833,99.451 32.833,99.846 32.853,99.866 32.853,100.25 33.872,101.268 50.118,101.268 52.558,103.708 59.089,103.708 62.278,106.897 62.278,108.249 v1(62,108.527)
USBSS0_TX_N: D16.4 D16.7 J1.166 R35.1 | length 32.9
  BOTTOM w0.266: D16.4@31.767,98.549 D16.4@31.8,98.583 D16.7@31.8,99.417 31.767,99.451 31.767,99.846 31.747,99.866 31.747,100.49 33.756,102.5 49.4,102.5 51.703,104.803 55.963,104.803 58.672,107.512 58.672,108.249 v1(58.95,108.527)
USBSS0_TX_P: D16.5 D16.6 J1.168 R36.1 | length 32.9
  BOTTOM w0.266: D16.5@31.333,98.549 D16.5@31.3,98.583 D16.6@31.3,99.417 31.333,99.451 31.333,99.846 31.353,99.866 31.353,100.653 33.593,102.893 49.237,102.893 51.54,105.196 55.8,105.196 58.278,107.675 58.278,108.249 v1(58,108.527)
VBUS_1: C49.1 C52.2 C53.2 J3.A1 J3.B1 U5.1
VBUS_2: C63.1 C66.2 C67.2 J4.A1 J4.B1 U6.1
VBUS_DET: R32.1 U4.37 | length 6.9
  TOP w0.266: v1(48.2,111.952) 49.2,112.952 49.2,113.553 U4.37@50.995,115.348
  BOTTOM w0.266: R32.1@46.25,111.002 47.2,111.952 v1(48.2,111.952)
VBUS_DETECT: J1.87 R23.2 | length 3.7
  TOP w0.266: J1.87@53.8,93.35 R23.2@53.8,97
VDD_3V3_HDMI: Q3.1 Q4.1 Q5.1 R66.2 R95.2 R96.2 U8.1 | length 40.9
  TOP w0.3: v1(188.075,88.525) 188.218,88.382 188.793,88.382 189.095,88.08 R66.2@189.095,85.05
  GND/INT_SIG_1 w0.3: v1(159.046,88.954) 160.121,88.954 v1(161.396,87.679) 161.396,85.804 164.775,82.425 v1(168.525,82.425) 169.55,83.45 183,83.45 v1(188.075,88.525)
  BOTTOM w0.3: Q4.1@174.462,93.125 174.475,93.138 175.77,93.138 R95.2@175.783,93.15
VDD_5V_HDMI: C82.1 C83.2 J6.18 R80.2 R88.2 U9.1 | length 24.8
  TOP w0.3: R80.2@169.825,80.675 v1(169.825,82.45) ; C83.2@178.375,81.083 179.458,81.083 181.7,83.325 181.7,84.449 181.439,84.71 J6.18@180.37,84.71
  TOP w0.5: C82.1@177.675,79.226 177.68,79.231 C82.1@177.68,79.425 ; C82.1@177.675,79.425 C82.1@177.68,79.425 ; C83.2@178.375,81.083 177.68,80.388 C82.1@177.68,79.425 ; U9.1@190.8,79.725 190.75,79.775 189.825,79.775 188.9,80.7 184.9,80.7 183.625,79.425 C82.1@177.68,79.425
X25_CAMIF_1_N: C20_CAMIF_1.1 U1_CAMIF_1.16 Y1_CAMIF_1.3 | length 9.2
  TOP w0.2: Y1_CAMIF_1.3@107.592,121.188 107.607,121.204 108.315,121.204 108.828,120.69 108.828,120.347 108.715,120.234 108.715,119.845 C20_CAMIF_1.1@108.768,119.792 108.821,119.739 109.21,119.739 109.318,119.846 109.484,119.846 111.119,118.211 111.119,116.117 111.909,115.327 112.384,115.327 U1_CAMIF_1.16@112.394,115.317
X25_CAMIF_1_P: C19_CAMIF_1.1 U1_CAMIF_1.15 Y1_CAMIF_1.1 | length 10.7
  TOP w0.2: Y1_CAMIF_1.1@107.946,123.946 107.875,123.875 107.875,122.579 108.715,121.738 108.715,121.319 109.214,120.821 109.717,120.821 C19_CAMIF_1.1@109.77,120.768 109.823,120.715 109.823,120.326 109.71,120.213 109.71,120.047 111.421,118.336 111.421,116.332 111.926,115.827 112.384,115.827 U1_CAMIF_1.15@112.394,115.817
X25_CAMIF_2_N: C20_CAMIF_2.1 U1_CAMIF_2.16 Y1_CAMIF_2.3 | length 9.2
  TOP w0.2: Y1_CAMIF_2.3@81.568,121.196 81.583,121.211 82.29,121.211 82.804,120.698 82.804,120.354 82.691,120.241 82.691,119.852 C20_CAMIF_2.1@82.744,119.799 82.797,119.746 83.186,119.746 83.294,119.854 83.46,119.854 85.095,118.219 85.095,116.125 85.885,115.335 86.36,115.335 U1_CAMIF_2.16@86.37,115.325
X25_CAMIF_2_P: C19_CAMIF_2.1 U1_CAMIF_2.15 Y1_CAMIF_2.1 | length 10.7
  TOP w0.2: Y1_CAMIF_2.1@81.921,123.954 81.851,123.883 81.851,122.586 82.691,121.746 82.691,121.327 83.189,120.829 83.692,120.829 C19_CAMIF_2.1@83.745,120.776 83.798,120.723 83.798,120.334 83.685,120.221 83.685,120.055 85.396,118.344 85.396,116.34 85.901,115.835 86.36,115.835 U1_CAMIF_2.15@86.37,115.825
X25_N: C73.1 U4.53 Y2.3 | length 11.3
  TOP w0.266: U4.53@56.369,116.763 56.392,116.763 58.587,114.568 60.685,114.568 61.357,114.568 61.925,114 62.075,114 62.317,114.242 62.317,114.36 62.473,114.516 62.833,114.516 63.297,114.052 64.606,114.052 65.533,113.125 Y2.3@65.533,113.025
X25_P: C72.1 U4.54 Y2.1 | length 8.7
  TOP w0.266: U4.54@56.652,117.045 56.726,116.971 56.726,116.949 58.739,114.936 60.838,114.936 61.461,114.936 61.925,115.4 62.075,115.4 62.317,115.158 62.317,115.04 62.473,114.884 62.986,114.884 62.989,114.881 63.488,114.881 Y2.1@63.833,115.225
XRES_CAMIF_1: R20_CAMIF_1.2 U1_CAMIF_1.17 | length 2.9
  TOP w0.168: v1(110.269,116.367) 110.333,116.304 110.333,116.079 111.594,114.817 U1_CAMIF_1.17@112.394,114.817
XRES_CAMIF_2: R20_CAMIF_2.2 U1_CAMIF_2.17 | length 2.9
  TOP w0.168: v1(84.245,116.375) 84.308,116.311 84.308,116.086 85.57,114.825 U1_CAMIF_2.17@86.37,114.825
pads on no net: D22_CAMIF_1.2 D22_CAMIF_1.4 D22_CAMIF_1.7 D22_CAMIF_1.9 D22_CAMIF_2.2 D22_CAMIF_2.4 D22_CAMIF_2.7 D22_CAMIF_2.9 D23_CAMIF_1.2 D23_CAMIF_1.4 D23_CAMIF_1.5 D23_CAMIF_1.6 D23_CAMIF_1.7 D23_CAMIF_1.9 D23_CAMIF_2.2 D23_CAMIF_2.4 D23_CAMIF_2.5 D23_CAMIF_2.6 D23_CAMIF_2.7 D23_CAMIF_2.9 D34_CAMIF_1.1 D34_CAMIF_1.2 D34_CAMIF_1.4 D34_CAMIF_1.7 D34_CAMIF_1.9 D34_CAMIF_1.10 D34_CAMIF_2.1 D34_CAMIF_2.2 D34_CAMIF_2.4 D34_CAMIF_2.7 D34_CAMIF_2.9 D34_CAMIF_2.10 D35_CAMIF_1.1 D35_CAMIF_1.2 D35_CAMIF_1.4 D35_CAMIF_1.7 D35_CAMIF_1.9 D35_CAMIF_1.10 D35_CAMIF_2.1 D35_CAMIF_2.2 D35_CAMIF_2.4 D35_CAMIF_2.7 D35_CAMIF_2.9 D35_CAMIF_2.10 J1. J1.9 J1.11 J1.27 J1.29 J1.39 J1.40 J1.41 J1.42 J1.45 J1.46 J1.47 J1.48 J1.51 J1.52 J1.53 J1.54 J1.57 J1.58 J1.59 J1.60 J1.64 J1.66 J1.70 J1.72 J1.76 J1.78 J1.82 J1.84 J1.88 J1.90 J1.92 J1.99 J1.101 J1.103 J1.105 J1.114 J1.118 J1.121 J1.122 J1.123 J1.124 J1.126 J1.127 J1.128 J1.130 J1.167 J1.169 J1.172 J1.173 J1.174 J1.175 J1.182 J1.183 J1.189 J1.191 J1.203 J1.205 J1.206 J1.207 J1.209 J1.212 J1.216 J1.217 J1.218 J1.219 J1.220 J1.221 J1.222 J1.223 J1.224 J1.225 J1.226 J1.227 J1.228 J1.229 J1.232 J1.234 J1.235 J1.236 J1.238 J1.240 J5. J6.14 J7. J7.6 J7.8 J7.20 J7.22 J7.24 J7.26 J7.28 J7.30 J7.32 J7.34 J7.36 J7.38 J7.46 J7.48 J7.54 J7.56 J7.58 J7.67 J7.69 J12.4 R114.1 U1_CAMIF_1.1 U1_CAMIF_1.2 U1_CAMIF_1.3 U1_CAMIF_1.12 U1_CAMIF_1.13 U1_CAMIF_1.14 U1_CAMIF_1.26 U1_CAMIF_1.27 U1_CAMIF_1.43 U1_CAMIF_1.44 U1_CAMIF_1.45 U1_CAMIF_1.46 U1_CAMIF_1.47 U1_CAMIF_1.48 U1_CAMIF_1.49 U1_CAMIF_1.50 U1_CAMIF_1.51 U1_CAMIF_1.52 U1_CAMIF_1.53 U1_CAMIF_1.54 U1_CAMIF_2.1 U1_CAMIF_2.2 U1_CAMIF_2.3 U1_CAMIF_2.12 U1_CAMIF_2.13 U1_CAMIF_2.14 U1_CAMIF_2.26 U1_CAMIF_2.27 U1_CAMIF_2.43 U1_CAMIF_2.44 U1_CAMIF_2.45 U1_CAMIF_2.46 U1_CAMIF_2.47 U1_CAMIF_2.48 U1_CAMIF_2.49 U1_CAMIF_2.50 U1_CAMIF_2.51 U1_CAMIF_2.52 U1_CAMIF_2.53 U1_CAMIF_2.54 U8.3
copper on no net:
  other v1: 89,79 90.5,80.5 88,81 89.5,82.5 87,83 88.5,84.5 -5.35,94.925 -5.825,95.4 -6.325,95.9 -6.792,96.373

## Polygon pours and split planes (outlines as drawn)
3V3 on TOP "3V3_L01_P072" (solid, pour order 72): 87.25,18.647 87.25,19.947 85.7,19.947 83.022,19.528 83.022,17.706 83.561,17.706
3V3 on TOP "3V3_L01_P073" (solid, pour order 73): 87.25,34.447 87.245,34.442 85.7,34.447 83.01,33.664 83.01,31.85 83.55,31.85 85.7,32.647 87.25,32.647
3V3 on TOP "3V3_L01_P074" (solid, pour order 74): 87.25,36.147 85.7,36.147 83.564,36.061 83.025,36.061 83.025,37.88 83.022,37.883 83.564,37.883 85.7,36.947 87.25,36.947
NetL4_CAMIF_2_2 on TOP "NETL4_CAMIF_2_2_L01_P054" (solid, pour order 54): 80.318,134.036 80.318,133.136 80.268,132.7 80.268,130.05 80.918,130.05 82.033,130.865 82.033,131.885 80.968,134.036
PoC_PWR_CAMIF_2 on TOP "POC_PWR_CAMIF_2_L01_P056" (solid, pour order 56): 79.121,127.872 79.121,129.328 79.518,133.136 79.518,134.036 78.868,134.036 77.728,132.7 77.728,130.05 77.867,127.872
PoC_PWR_CAMIF_2 on TOP "POC_PWR_CAMIF_2_L01_P058" (solid, pour order 58): 90.07,134.025 90.07,133.125 89.871,129.452 89.871,128.197 88.415,128.197 88.275,130.025 88.275,132.675 89.42,134.025
NetL8_CAMIF_2_2 on TOP "NETL8_CAMIF_2_2_L01_P060" (solid, pour order 60): 90.87,134.025 90.87,133.125 90.815,132.675 90.815,130.025 91.465,130.025 92.57,130.865 92.57,131.885 91.52,134.025
NetL6_CAMIF_2_2 on TOP "NETL6_CAMIF_2_2_L01_P062" (solid, pour order 62): 87.933,125.16 89.048,125.975 89.698,125.975 89.698,123.325 89.693,122.875 89.693,121.975 89.043,121.975 87.933,124.14
PoC_PWR_CAMIF_2 on TOP "POC_PWR_CAMIF_2_L01_P064" (solid, pour order 64): 90.493,121.975 91.143,121.975 92.238,123.325 92.238,125.975 92.121,127.8 90.665,127.8 90.665,126.545 90.493,122.875
NetL2_CAMIF_2_2 on TOP "NETL2_CAMIF_2_2_L01_P066" (solid, pour order 66): 77.445,115.96 78.085,115.96 78.495,115.92 81.145,115.92 81.145,115.27 78.045,113.55 77.145,113.55 77.145,114.2
PoC_PWR_CAMIF_2 on TOP "POC_PWR_CAMIF_2_L01_P068" (solid, pour order 68): 77.145,112.75 78.495,113.38 81.145,113.38 81.145,112.73 79.871,112.128 79.871,110.672 78.573,110.672 77.145,112.1
ETH_GND on TOP "ETH_GND_L01_P052" (solid, pour order 52): 30,129.542 6,129.542 6,152.642 30,152.642
PoC_PWR_CAMIF_1 on TOP "POC_PWR_CAMIF_1_L01_P067" (solid, pour order 67): 103.169,112.742 104.519,113.372 107.169,113.372 107.169,112.722 105.895,112.12 105.895,110.664 104.597,110.664 103.169,112.092
NetL2_CAMIF_1_2 on TOP "NETL2_CAMIF_1_2_L01_P065" (solid, pour order 65): 103.469,115.952 104.109,115.952 104.519,115.912 107.169,115.912 107.169,115.262 104.069,113.542 103.169,113.542 103.169,114.192
PoC_PWR_CAMIF_1 on TOP "POC_PWR_CAMIF_1_L01_P063" (solid, pour order 63): 116.518,121.967 117.168,121.967 118.263,123.317 118.263,125.967 118.146,127.792 116.689,127.792 116.689,126.538 116.518,122.867
NetL6_CAMIF_1_2 on TOP "NETL6_CAMIF_1_2_L01_P061" (solid, pour order 61): 113.958,125.152 115.073,125.967 115.723,125.967 115.723,123.317 115.718,122.867 115.718,121.967 115.068,121.967 113.958,124.132
NetL8_CAMIF_1_2 on TOP "NETL8_CAMIF_1_2_L01_P059" (solid, pour order 59): 116.894,134.017 116.894,133.117 116.839,132.667 116.839,130.017 117.489,130.017 118.594,130.857 118.594,131.877 117.544,134.017
PoC_PWR_CAMIF_1 on TOP "POC_PWR_CAMIF_1_L01_P057" (solid, pour order 57): 116.094,134.017 116.094,133.117 115.896,129.444 115.896,128.189 114.439,128.189 114.299,130.017 114.299,132.667 115.444,134.017
PoC_PWR_CAMIF_1 on TOP "POC_PWR_CAMIF_1_L01_P055" (solid, pour order 55): 105.145,127.864 105.145,129.32 105.543,133.129 105.543,134.029 104.893,134.029 103.753,132.692 103.753,130.042 103.891,127.864
NetL4_CAMIF_1_2 on TOP "NETL4_CAMIF_1_2_L01_P053" (solid, pour order 53): 106.343,134.029 106.343,133.129 106.293,132.692 106.293,130.042 106.943,130.042 108.058,130.857 108.058,131.877 106.993,134.029
no net on BOTTOM "NONET_L04_P071" (solid, pour order 71): 30,129.542 6,129.542 6,152.642 30,152.642
no net on GND/INT_SIG_1 "NONET_L02_P069" (solid, pour order 69): 30,129.542 6,129.542 6,152.642 30,152.642
no net on GND/INT_SIG_2 "NONET_L03_P070" (solid, pour order 70): 30,129.542 6,129.542 6,152.642 30,152.642

## Other copper
TOP:
  pour cut-out: 105.207,122.33 107.994,125.117 108.044,125.117 111.774,121.492 107.774,117.492
  pour cut-out: 79.182,122.338 81.97,125.125 82.02,125.125 85.75,121.5 81.75,117.5
  pour cut-out: 61,112 66.75,112 66.75,117.5 61,117.5
GND/INT_SIG_1:
  pour cut-out: 105.207,122.33 107.994,125.117 108.044,125.117 111.774,121.492 107.774,117.492
  pour cut-out: 79.182,122.338 81.97,125.125 82.02,125.125 85.75,121.5 81.75,117.5
  pour cut-out: 61,112 66.75,112 66.75,117.5 61,117.5
GND/INT_SIG_2:
  pour cut-out: 105.207,122.33 107.994,125.117 108.044,125.117 111.774,121.492 107.774,117.492
  pour cut-out: 79.182,122.338 81.97,125.125 82.02,125.125 85.75,121.5 81.75,117.5
  pour cut-out: 61,112 66.75,112 66.75,117.5 61,117.5
BOTTOM:
  pour cut-out: 105.207,122.33 107.994,125.117 108.044,125.117 111.774,121.492 107.774,117.492
  pour cut-out: 79.182,122.338 81.97,125.125 82.02,125.125 85.75,121.5 81.75,117.5
  pour cut-out: 61,112 66.75,112 66.75,117.5 61,117.5

## Silkscreen, mask and mechanical layers (free items; w line width, h text height)
Top Overlay:
  drawing of 38 lines, arcs and shapes, not listed
  text "Redo USB conn. wiring / Redo routing once stackup finalized" at 32.525,153.775 h1
  text "CAM I2C" at 104.35,105.85 h0.5
  text "SDA" at 105.625,104.75 h0.5
  text "SCL" at 105.625,103.75 h0.5
  text "RECOVERY" at 51.968,102.925 h1
  text "M.2" at -12.8,100.375 h1
  text "I doubt 90% of this shit will work" at 9.8,78 h0.75
  text "VisionBETA EBB" at 17.75,5.75 h4
  text "Designed with invaluable insight from Cass" at 17.2,3.533 h1
Bottom Overlay:
  drawing of 6 lines, arcs and shapes, not listed
  text "HDMI I/O / VOLTAGE / JUMP." at 197.7,73.175 h1
  text "1V8 / 3V3" at 181.375,73.15 h1
  text "Proudly designed on company time" at 121.775,2.865 h1
Mechanical 1:
  the board outline again, w0.254
  text "impedance re-routing: / m.2 ok / eth ok / usb ok, no pwr / cams ok / hdmi ok but i2c is marked as diff, could be bad - check /  / CHECK PAIR SKEW SPECS" at 152.8,121.075 h1.52
  text "USING JLC04161H-7628" at 2.304,-3.146 h1.52